# KiCad board SparkPNT_GPSDO_panelized.kicad_pcb (continued)
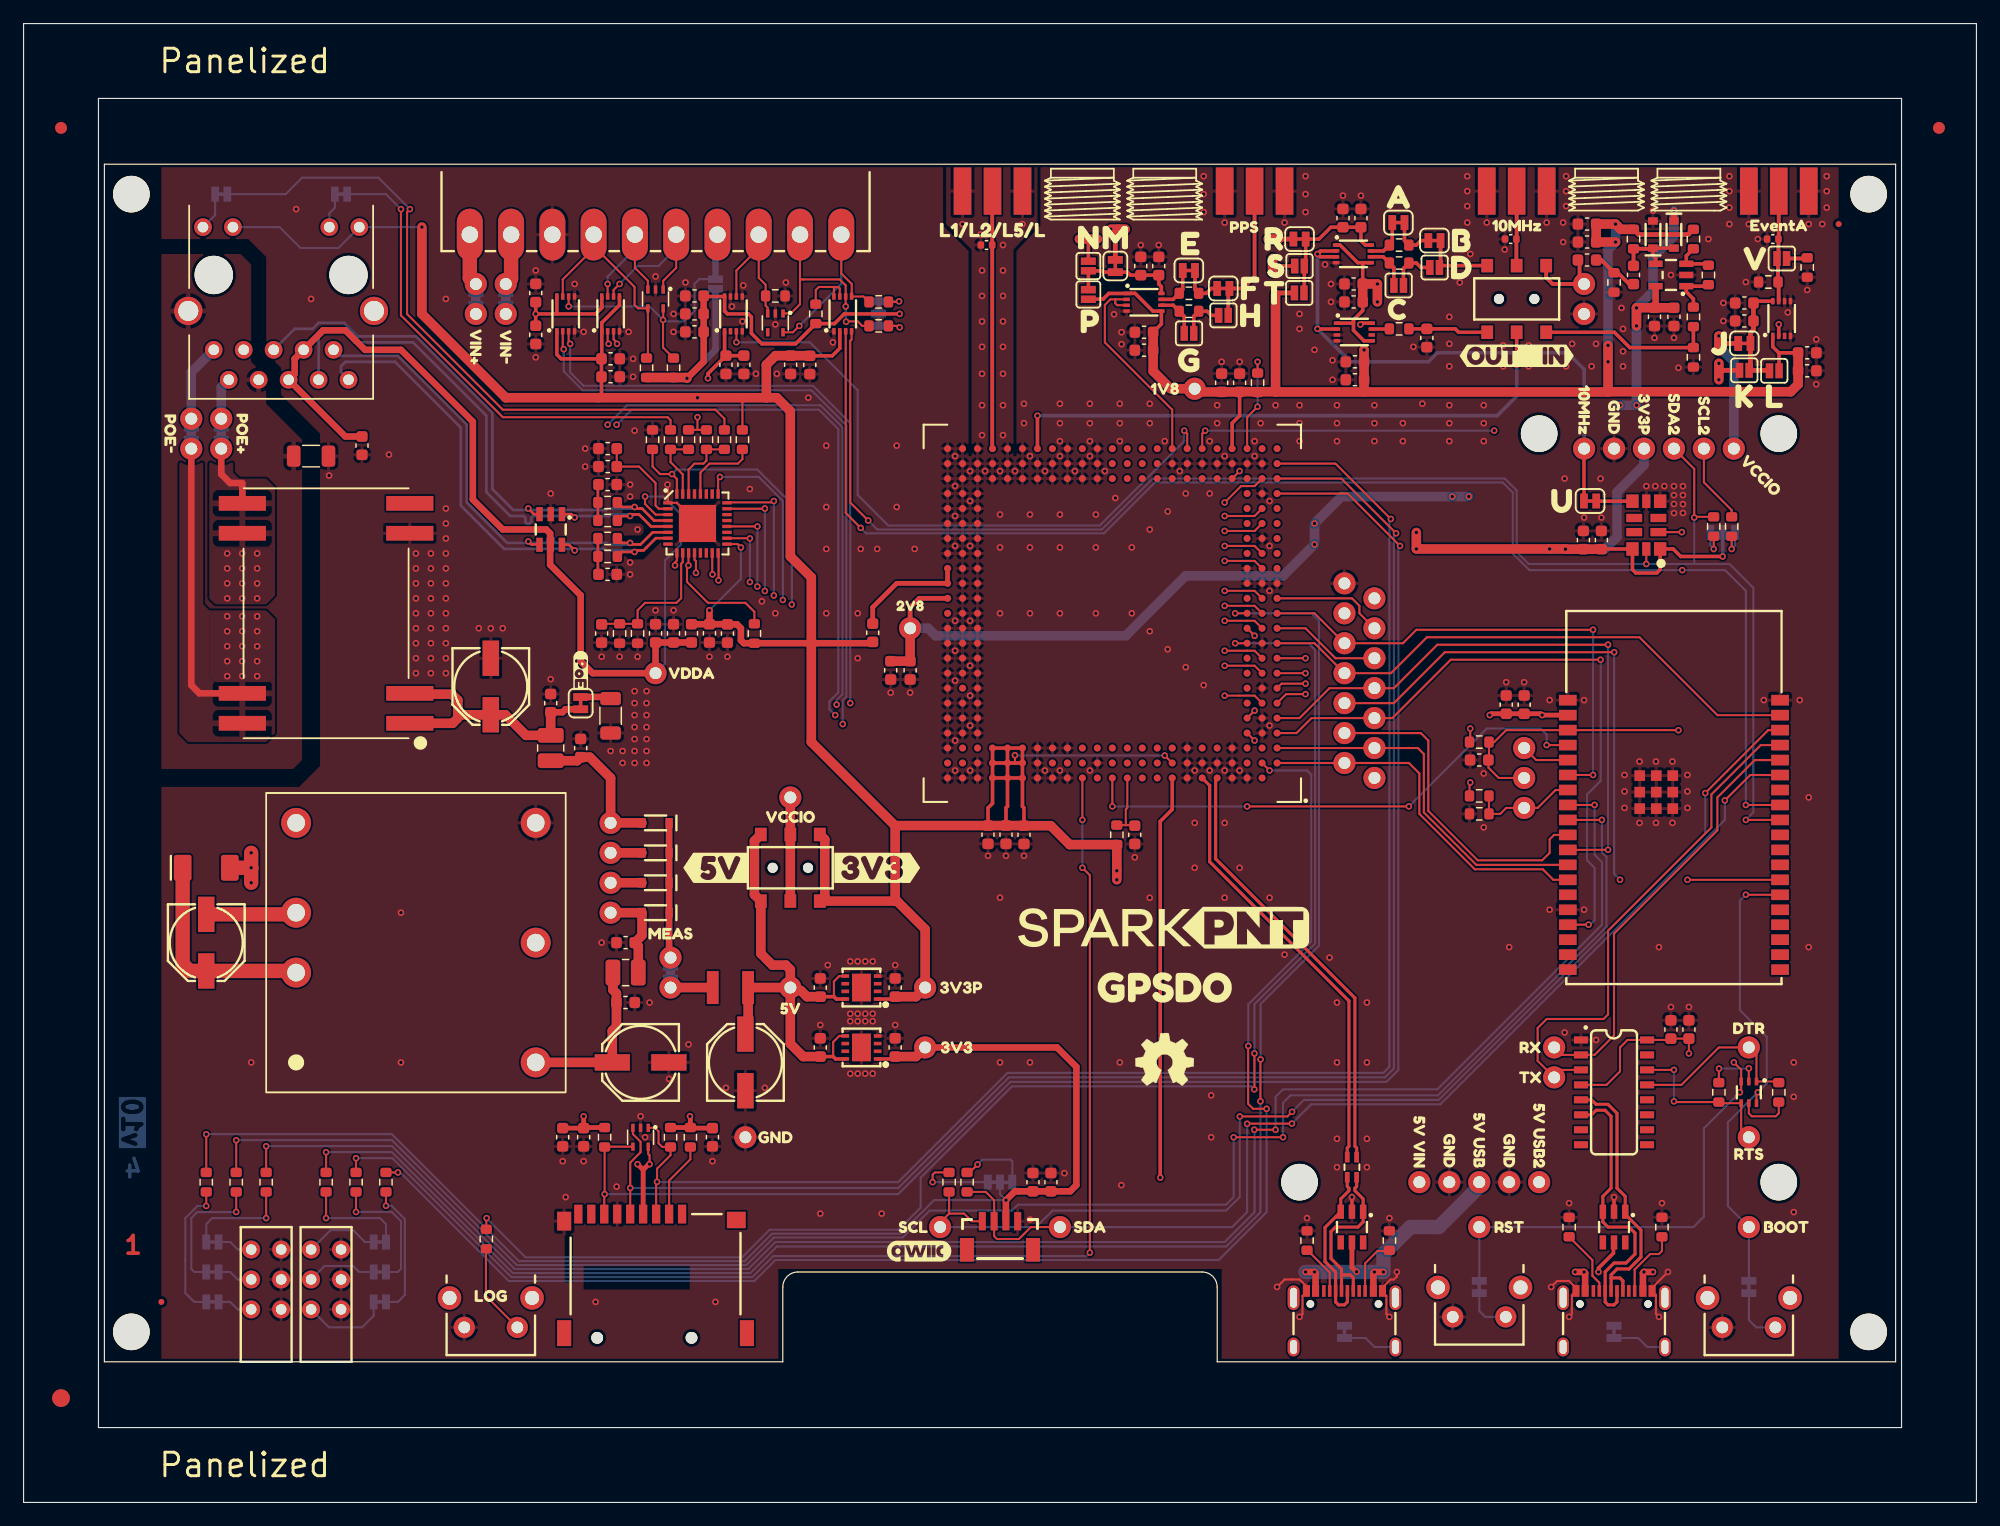
[diagram p0: board, top side]
## Routing (per net, layer and track width the routed paths; a pad name or vN(x,y) marks a point on that pad's centre or on a via; arc(x,y) is an arc through that point) (continued)
Net-(JP22-B): length 2.7
  Top w0.178: v1(74.24,101.9) 74.19,101.85 R54.2
  Bottom w0.178: 74.29,101.85 v1(74.24,101.9) JP22.3
Net-(M.1-A): length 9.4
  Top w0.305: U16.8 96.49,103.15 96.26,103.37 C67.1 C65.1 93.86,104.12 93.61,104.37 M.1.1 91.58,104.37 91.46,104.49 N.1.1 P.1.1
Net-(Q1A-B1): length 4.9
  Top w0.178: R3.1 143.76,36.8 v1(143.77,36.81) ; Q1.2 v1(146.3,36.82)
  Bottom w0.178: v1(146.3,36.82) 146.29,36.81 v1(143.77,36.81) 143.76,36.82
Net-(Q1B-B2): length 4.6
  Top w0.178: Q1.5 146.3,33.01 146.55,32.76 148.59,32.76 148.84,33.01 148.84,33.97
Net-(R37-Pad2): length 7.8
  Top w0.178: SW3.2 39.21,17.51 39.21,21.49 39.24,21.52
Net-(R52-Pad1): length 4
  Top w0.305: R58.2 141.6,102.1 141,102.7 U17.1 142.75,103.18 R52.1
Net-(R.1-A): length 11.8
  Top w0.305: 108.61,102.61 S.1.1 108.72,105.01 R.1.1 109.85,107.18 110.85,108.18 C49.1 C51.1 113.41,107.05 113.79,106.67 U15.8
Net-(U1-IA39): length 4.1
  Top w0.178: TP43.1 128.27,62.98 U1.5
Net-(U2-COM3_CTS): length 9.7
  Top w0.178: U2.N1 112.65,76.7 113.28,76.07 113.28,75.43 TP19.1
Net-(U2-COM3_RTS): length 9.3
  Top w0.178: U2.L1 108.71,74.16 111.25,71.62 TP18.1
Net-(U2-GPIO_1): length 19.8
  Top w0.178: U2.AA4 v1(103.12,87.5)
  In2.Cu w0.178: v1(103.12,87.5) 103.12,84.57 107.95,79.75 113.66,79.75 114.55,78.86 TP20.1
Net-(U2-GPIO_2): length 9.3
  Top w0.178: U2.L3 v1(104.39,73.53)
  In2.Cu w0.178: v1(104.39,73.53) 107.82,73.53 109.72,75.43 TP21.1
Net-(U2-SYNC): length 8.7
  Top w0.178: R5.1 v1(104.64,96.77) ; v1(104.64,92.96) 103.75,92.07 U2.AC3
  Bottom w0.178: v1(104.64,92.96) v1(104.64,96.77)
Net-(U2-~{RESET}): length 5.6
  Top w0.178: U2.A11 93.59,58.92 93.47,58.79 93.47,57.46 ; C3.2 94.18,57.46 93.47,57.46 ; 93.47,57.46 R11.1
Net-(U4-COL/CONFIG0): length 6.7
  Top w0.178: U4.28 57.4,87.36 58.16,88.13 60.57,88.13 60.96,88.51 60.96,89.34
Net-(U4-REXT): length 12.2
  Top w0.178: U4.10 55.9,79.77 55.76,79.63 55.76,76.71 55.37,76.32 52.7,76.32 52.07,75.68 R26.1 R25.1 49.07,74.54 C15.1
Net-(U4-VDDP_1.8): length 8.5
  Top w0.178: 50.3,89.4 50.3,87.88 52.19,87.88 53.59,86.48 53.59,84.57 53.86,84.3 U4.2
Net-(U6-VIN+): length 18.1
  Top w1.219: D8.C 13.49,45.68 14.08,45.09 C35.1 22.97,45.09 U6.1
Net-(U6-VOUT+): length 115
  Top w0.813: L3.1 49.97,43.49 50.28,43.19 C33.1 50.28,40.37 49.92,40.01 C32.1 U6.6
  In2.Cu w1.219: TP45.1 118.36,24.63 116.33,22.6 105.79,22.6 94.36,34.03 69.59,34.03 57.91,22.34 47.24,22.34 43.43,26.15 U6.6
Net-(U14-1B): length 1.5
  Top w0.305: R30.2 115.8,99.54 U14.7
Net-(U17-+): length 3.5
  Top w0.305: R52.2 142.75,105.08 U17.3 141,105.75 R57.2
Net-(U17--): length 6.3
  Top w0.305: U17.4 138.4,105.56 138.17,105.78 D18.C D16.A
  Top w0.33: D18.C 138.12,106.36 R56.2 C76.2
Net-(U18-EN): length 4.9
  Top w0.178: U18.7 69.22,102.99 69.08,103.12 68.7,103.12 ; 68.7,103.12 68.72,103.1 U18.8 ; 68.7,103.12 67.43,103.12 67.18,102.86 R53.1
Net-(U.1-A): length 3.1
  Top w0.305: U.1.1 133.37,84.94 U13.6 136.42,84.95
Net-(V.1-A): length 1.8
  Top w0.33: R47.2 151.19,105.53 V.1.1

## Copper pours and planes (outline as drawn; the poured copper is in the pictures)
GND on Top, Bottom, In1.Cu, In2.Cu: 101.6,12.18 101.6,19.8 64,19.8 64,12.18 11.68,12.18 11.68,60.7 23.36,60.7 25.14,62.48 25.14,90.67 21.84,93.97 21.84,96.26 20.57,97.53 20.57,105.66 19.05,107.18 11.68,107.18 11.68,113.28 153.92,113.28 153.92,12.18
GND-ISO on Top, Bottom, In1.Cu, In2.Cu: 11.68,105.91 18.41,105.91 19.3,105.02 19.3,96.77 20.57,95.5 20.57,93.21 23.62,90.16 23.62,62.98 22.86,62.22 11.68,62.22
VIN+ on Top: 15.74,89.65 17.78,89.65 17.78,87.37 18.28,86.86 20.57,86.86 21.33,86.1 21.33,76.95 20.57,76.19 16.25,76.19 15.74,76.7
VIN+ on Top, Bottom, In1.Cu, In2.Cu: 15.74,76.7 15.74,80.51 16.25,81.02 20.82,81.02 21.33,80.51 21.33,76.95 20.57,76.19 16.25,76.19
VIN- on Top: 15.24,89.4 15.24,76.19 15.74,75.68 20.57,75.68 21.33,74.92 21.33,65.27 20.57,64.51 13.97,64.51 13.2,65.27 13.2,89.4
VIN- on Top, Bottom, In1.Cu, In2.Cu: 20.57,75.68 21.33,74.92 21.33,70.1 20.82,69.59 16.25,69.59 15.74,70.1 15.74,75.18 16.25,75.68

## Text on the board
Bottom: 4 | v10
User.Comments: ROUTE OUT | V-SCORE
User.Drawings: V-Score To V-Score
Top: 1
F.Fab: P.C. | Controlled Impedance: JLC7628 | Solder Mask: Red | Silkscreen: White | Layers: 4 | Finish: ENIG | Thickness: 1.6mm | No Clean Process | Material: TG155 | Copper Weight: 1oz
F.Silkscreen: Panelized
In1.Cu: 2
In2.Cu: 3
